# KiCad board Azimuth_PCB.kicad_pcb
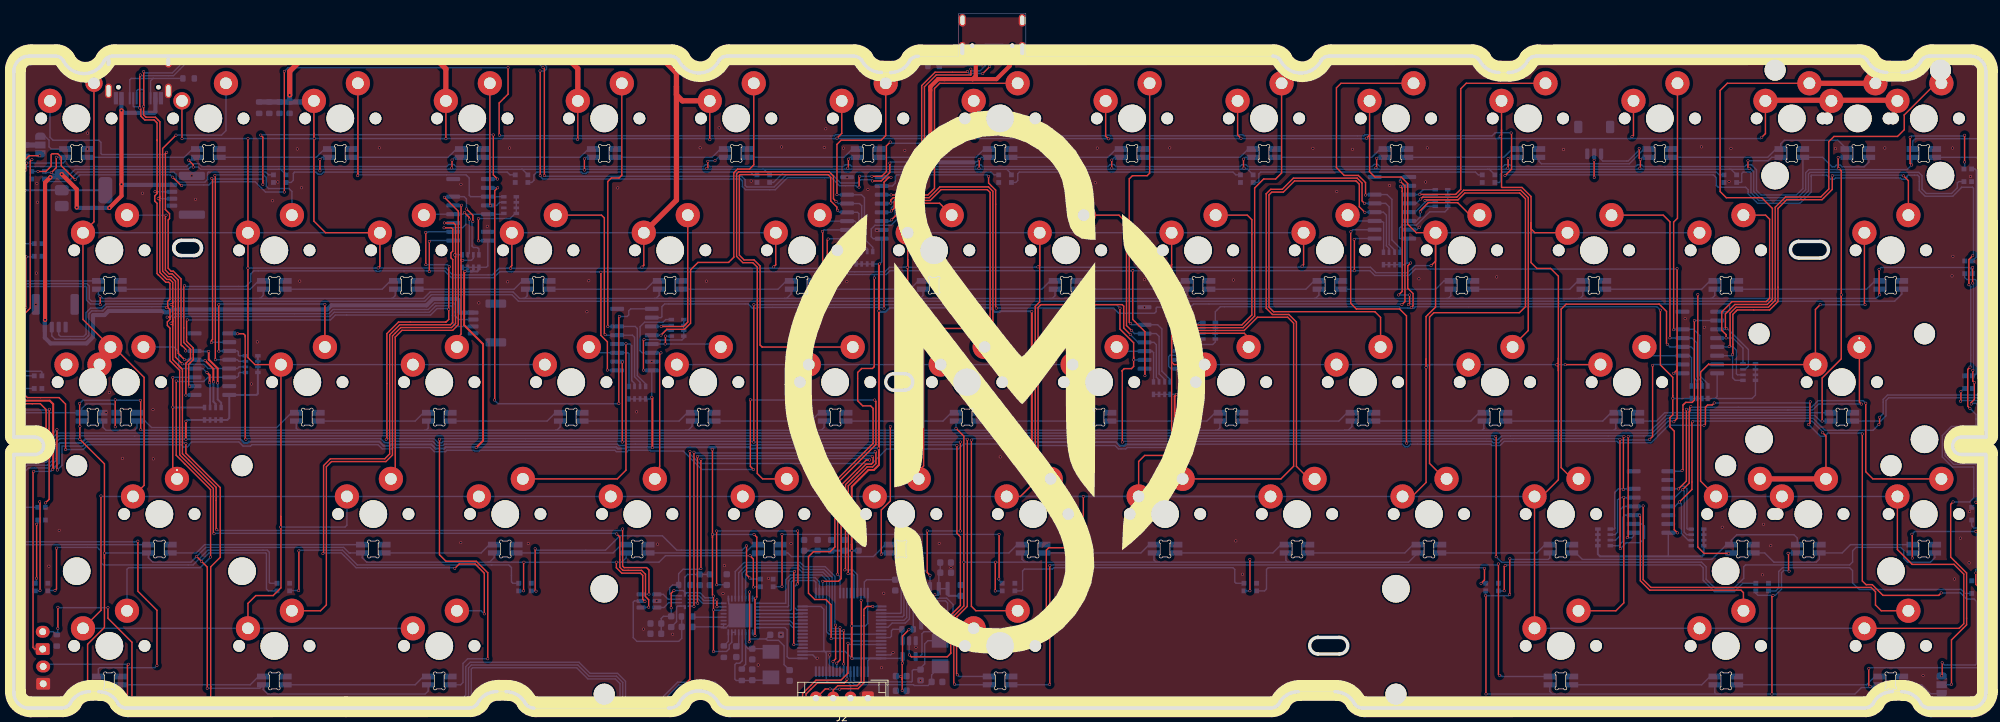
[diagram p0: board, top side]
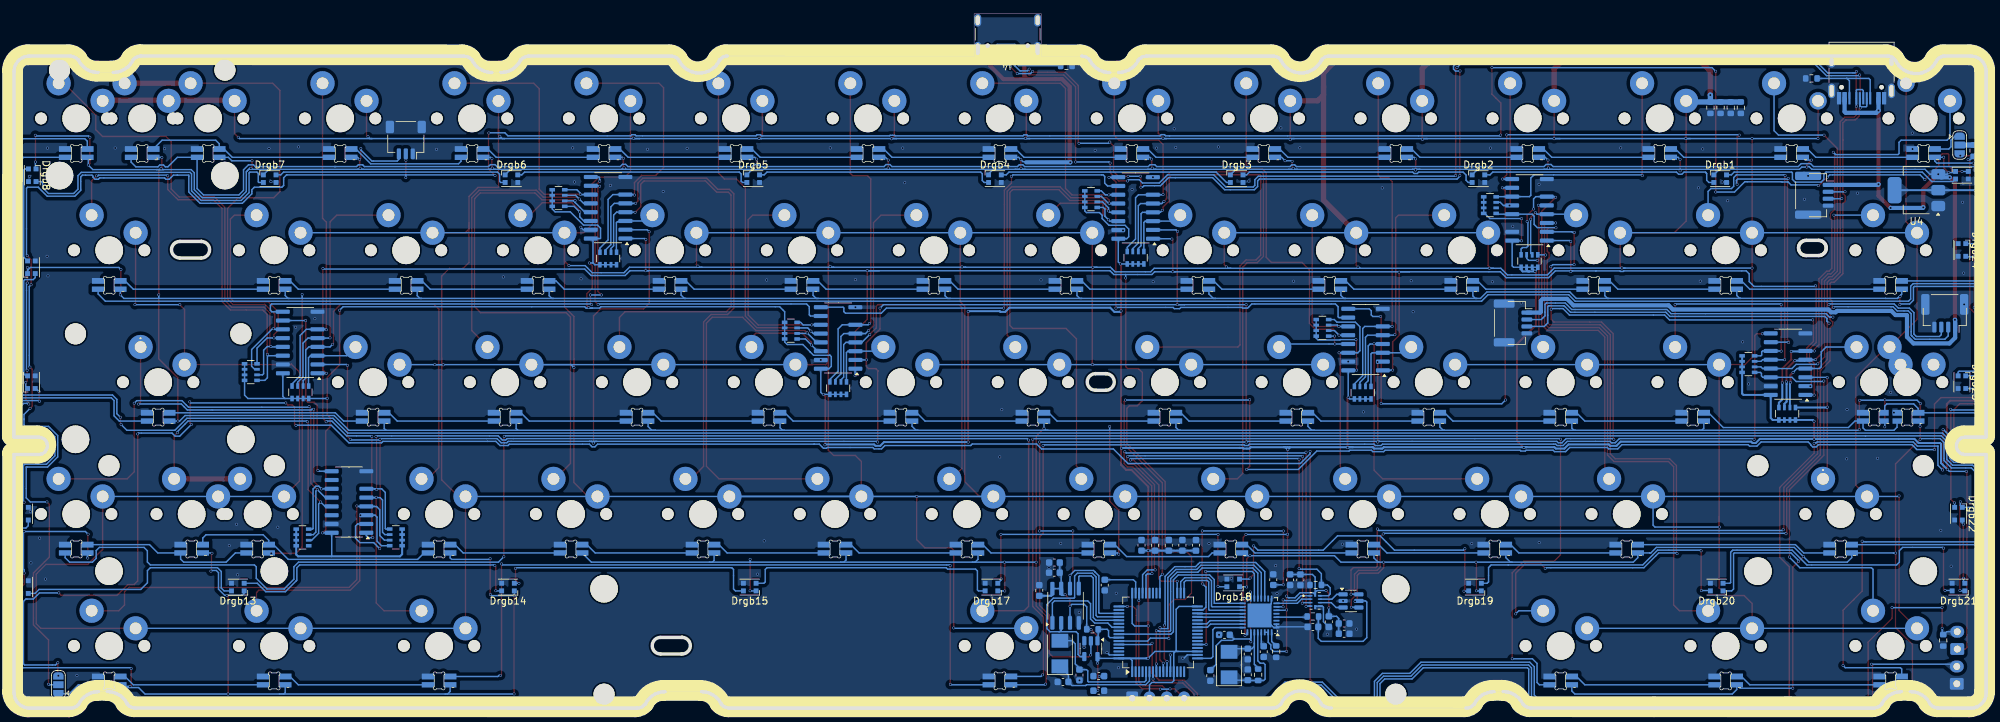
[diagram p1: board, bottom side, seen from below]

Outline 284.73 x 100.3 mm; copper layers: Top, Bottom. Coordinates in mm from the lower left corner of the outline.
Outline path: 0,92.01 arc(0.67,93.57) 2.25,94.2 5.98,94.21 arc(6.65,94.03) 7.15,93.55 7.15,93.55 arc(10.1,91.67) 13.06,93.54 arc(13.58,94.03) 14.27,94.21 94.87,94.2 arc(95.49,94.04) 95.96,93.62 arc(98.89,91.76) 101.82,93.61 arc(102.31,94.04) 102.93,94.19 121.22,94.2 arc(121.87,94.05) 122.39,93.63 arc(123.55,92.32) 125.23,91.83 126.55,91.82 arc(128.24,92.31) 129.4,93.62 arc(129.92,94.04) 130.57,94.19 136.4,94.19 136.4,100.3 146.11,100.3 146.11,94.19 181.74,94.2 arc(182.36,94.05) 182.83,93.63 182.83,93.63 arc(185.78,91.75) 188.74,93.62 arc(189.22,94.04) 189.84,94.19 210.4,94.2 arc(211.05,94.05) 211.57,93.63 arc(212.74,92.32) 214.42,91.83 215.74,91.82 arc(217.42,92.31) 218.58,93.62 arc(219.1,94.04) 219.76,94.19 266.36,94.22 arc(267.01,94.06) 267.53,93.64 arc(268.69,92.33) 270.37,91.85 272.57,91.84 arc(274.26,92.32) 275.42,93.63 arc(275.94,94.05) 276.59,94.21 282.51,94.2 arc(284.07,93.53) 284.7,91.95 284.73,39.16 281.11,39.15 arc(279.89,37.88) 281.14,36.65 284.7,36.65 284.7,2.19 arc(284.03,0.63) 282.45,0 276.54,0.01 arc(275.89,0.16) 275.37,0.58 arc(274.21,1.89) 272.52,2.38 271.2,2.39 arc(269.52,1.9) 268.36,0.59 arc(267.84,0.17) 267.19,0.02 194.75,0.01 194.75,0.01 arc(194.09,0.16) 193.57,0.58 arc(192.41,1.89) 190.73,2.38 185.44,2.38 arc(183.76,1.89) 182.6,0.58 arc(182.08,0.16) 181.42,0.01 103.06,0.01 arc(102.38,0.18) 101.81,0.6 arc(98.91,2.5) 95.99,0.62 arc(95.32,0.15) 94.51,0.02 75.07,0.01 arc(74.41,0.16) 73.89,0.59 arc(72.73,1.9) 71.05,2.38 69.73,2.39 arc(68.05,1.91) 66.88,0.6 arc(66.36,0.17) 65.71,0.02 47.73,0.01 16.26,0.01 arc(15.61,0.16) 15.09,0.58 arc(13.93,1.89) 12.24,2.38 10.92,2.39 arc(9.24,1.9) 8.08,0.59 arc(7.56,0.17) 6.91,0.02 2.2,0 arc(0.63,0.67) 0,2.25 0,36.65 3.05,36.65 arc(4.29,37.91) 3.04,39.15 0,39.15 0,92.01 ; 23.09,66.48 23.11,66.27 23.17,66.06 23.27,65.87 23.41,65.7 23.58,65.57 23.77,65.47 23.97,65.4 24.19,65.38 25.99,65.38 26.2,65.4 26.41,65.47 26.6,65.57 26.76,65.7 26.9,65.87 27,66.06 27.07,66.27 27.09,66.48 27.07,66.7 27,66.9 26.9,67.09 26.76,67.26 26.6,67.4 26.41,67.5 26.2,67.56 25.99,67.58 24.19,67.58 23.97,67.56 23.77,67.5 23.58,67.4 23.41,67.26 23.27,67.09 23.17,66.9 23.11,66.7 23.09,66.48 ; 127.08,48.33 128.58,48.33 arc(129.78,47.12) 128.56,45.93 127.08,45.93 arc(125.88,47.13) 127.08,48.33 127.08,48.33 ; 188.28,10.23 191.38,10.23 arc(192.58,9.02) 191.36,7.83 188.28,7.83 arc(187.08,9.03) 188.28,10.23 188.28,10.23 ; 257.68,67.43 260.78,67.43 arc(261.98,66.22) 260.76,65.03 257.68,65.03 arc(256.48,66.23) 257.68,67.43 257.68,67.43
Stack: Top 0.035mm / dielectric 1.51mm FR4 er 4.5 / Bottom 0.035mm

## Placement (name value [footprint] x y rotation side)
C1  2.2uF  [C_0603_1608Metric]  127.25 17.78 270 bottom
C2  2.2uF  [C_0603_1608Metric]  102.92 18.57 90 bottom
C3  9pf  [C_0603_1608Metric]  130.9 4.79 90 bottom
C4  9pf  [C_0603_1608Metric]  133.27 3.79 180 bottom
C5  0.1uF  [C_0603_1608Metric]  128.1 4.63 0 bottom
C6  0.1uF  [C_0603_1608Metric]  128.11 2.52 180 bottom
C7  0.1uF  [C_0603_1608Metric]  99 18.54 270 bottom
C8  0.1uF  [C_0603_1608Metric]  100.49 18.55 270 bottom
C9  0.1uF  [C_0603_1608Metric]  121.94 23.53 90 bottom
C10  0.1uF  [C_0603_1608Metric]  119.97 23.53 90 bottom
C11  1uF  [C_0603_1608Metric]  92.68 10.75 180 bottom
C12  0.1uF  [C_0603_1608Metric]  92.69 12.23 180 bottom
C13  1uF  [C_0603_1608Metric]  114.08 23.52 90 bottom
C14  0.1uF  [C_0603_1608Metric]  118 23.53 90 bottom
C15  1uF  [C_0603_1608Metric]  134.52 19.57 0 bottom
C16  0.1uF  [C_0603_1608Metric]  136.7 17.01 90 bottom
C17  1uF  [C_0603_1608Metric]  116.04 23.53 90 bottom
C18  1uF  [C_0603_1608Metric]  94.9 12.49 90 bottom
C19  1uF  [C_0603_1608Metric]  97.2 11.74 180 bottom
C20  9pf  [C_0603_1608Metric]  106.6 7.82 90 bottom
C21  9pf  [C_0603_1608Metric]  106.6 4.82 270 bottom
C22  4.7UF  [C_0603_1608Metric]  109.97 10.59 0 bottom
C23  1uF  [C_0603_1608Metric]  112 4.72 270 bottom
C24  4.7UF  [C_0603_1608Metric]  104.3 8.17 270 bottom
C25  1uF  [C_0603_1608Metric]  134.51 21.03 180 bottom
Drgb1  WS2812B  [LED_WS2812B-2020_PLCC4_2.0x2.0mm]  38.4 76.49 180 bottom
Drgb2  WS2812B  [LED_WS2812B-2020_PLCC4_2.0x2.0mm]  73.3 76.49 180 bottom
Drgb3  WS2812B  [LED_WS2812B-2020_PLCC4_2.0x2.0mm]  108.2 76.49 180 bottom
Drgb4  WS2812B  [LED_WS2812B-2020_PLCC4_2.0x2.0mm]  143.1 76.49 180 bottom
Drgb5  WS2812B  [LED_WS2812B-2020_PLCC4_2.0x2.0mm]  178 76.49 180 bottom
Drgb6  WS2812B  [LED_WS2812B-2020_PLCC4_2.0x2.0mm]  212.9 76.49 180 bottom
Drgb7  WS2812B  [LED_WS2812B-2020_PLCC4_2.0x2.0mm]  247.8 76.49 180 bottom
Drgb8  WS2812B  [LED_WS2812B-2020_PLCC4_2.0x2.0mm]  282.08 76.98 270 bottom
Drgb9  WS2812B  [LED_WS2812B-2020_PLCC4_2.0x2.0mm]  282.2 63.69 90 bottom
Drgb10  WS2812B  [LED_WS2812B-2020_PLCC4_2.0x2.0mm]  282.2 47.09 90 bottom
Drgb11  WS2812B  [LED_WS2812B-2020_PLCC4_2.0x2.0mm]  283.2 28.09 90 bottom
Drgb12  WS2812B  [LED_WS2812B-2020_PLCC4_2.0x2.0mm]  283.2 17.49 90 bottom
Drgb13  WS2812B  [LED_WS2812B-2020_PLCC4_2.0x2.0mm]  252.4 17.49 0 bottom
Drgb14  WS2812B  [LED_WS2812B-2020_PLCC4_2.0x2.0mm]  213.4 17.49 0 bottom
Drgb15  WS2812B  [LED_WS2812B-2020_PLCC4_2.0x2.0mm]  178.5 17.49 0 bottom
Drgb16  WS2812B  [LED_WS2812B-2020_PLCC4_2.0x2.0mm]  3.5 76.99 180 bottom
Drgb17  WS2812B  [LED_WS2812B-2020_PLCC4_2.0x2.0mm]  143.6 17.49 0 bottom
Drgb18  WS2812B  [LED_WS2812B-2020_PLCC4_2.0x2.0mm]  108.7 18.09 0 bottom
Drgb19  WS2812B  [LED_WS2812B-2020_PLCC4_2.0x2.0mm]  73.8 17.49 0 bottom
Drgb20  WS2812B  [LED_WS2812B-2020_PLCC4_2.0x2.0mm]  38.9 17.49 0 bottom
Drgb21  WS2812B  [LED_WS2812B-2020_PLCC4_2.0x2.0mm]  4 17.49 0 bottom
Drgb22  WS2812B  [LED_WS2812B-2020_PLCC4_2.0x2.0mm]  4 28.09 270 bottom
Drgb23  WS2812B  [LED_WS2812B-2020_PLCC4_2.0x2.0mm]  3.5 47.09 270 bottom
Drgb24  WS2812B  [LED_WS2812B-2020_PLCC4_2.0x2.0mm]  3.5 66.19 270 bottom
G***  LOGO  [MS]  141.6 47.09 0 top
J1  Conn_01x04_Pin  [JST_SH_SM04B-SRSS-TB_1x04-1MP_P1.00mm_Horizontal#2]  24.82 74.09 270 bottom
J2  Conn_01x04_Pin  [JST_EH_B4B-EH-A_1x04_P2.50mm_Vertical]  123.29 1.43 180 top
J3  Conn_01x03_Socket  [JST_SH_SM03B-SRSS-TB_1x03-1MP_P1.00mm_Horizontal]  228.15 82.08 0 bottom
J4  USB_C_Receptacle_USB2.0_14P  [USB_C_Receptacle_GCT_USB4105-xx-A_16P_TopMnt_Horizontal]  141.26 98.3 0 bottom
J4#2  USB_C_Receptacle_USB2.0_14P  [USB_C_Receptacle_HRO_TYPE-C-31-M-12]  17.99 92.3 0 bottom
J5  Conn_01x04_Pin  [JST_SH_SM04B-SRSS-TB_1x04-1MP_P1.00mm_Horizontal]  5.98 57.05 0 bottom
J6  Conn_01x04_Pin  [JST_SH_SM04B-SRSS-TB_1x04-1MP_P1.00mm_Horizontal]  68.31 55.64 270 bottom
JP1  Jumper_3_Open  [SolderJumper-3_P1.3mm_Open_RoundedPad1.0x1.5mm]  3.82 81.35 270 bottom
JP2  Jumper_3_Open  [SolderJumper-3_P1.3mm_Open_RoundedPad1.0x1.5mm]  278.31 3.38 90 bottom
R1  10k  [R_0603_1608Metric]  6.2 9.79 90 bottom
R2  10k  [R_0603_1608Metric]  129.02 11.39 180 bottom
R3  5.6k  [R_0603_1608Metric]  132.78 92.77 180 bottom
R4  10k  [R_0603_1608Metric]  96.8 17.79 0 bottom
R5  1k  [R_0603_1608Metric]  97.2 13.24 0 bottom
R6  1m  [R_0603_1608Metric]  105.1 4.82 270 bottom
R7  12K  [R_0603_1608Metric]  102.5 8.17 270 bottom
R15  10k  [R_0603_1608Metric]  1.82 80.54 270 bottom
R16  0  [R_0603_1608Metric]  39.81 86.75 90 bottom
R17  0  [R_0603_1608Metric]  38.35 86.75 90 bottom
R18  0  [R_0603_1608Metric]  36.88 86.75 90 bottom
R19  0  [R_0603_1608Metric]  35.42 86.75 90 bottom
R20  10k  [R_0603_1608Metric]  25.23 90.97 0 bottom
RN1  R_Pack04  [R_Array_Convex_4x0603]  34.33 49.7 180 bottom
RN2  R_Pack04  [R_Array_Convex_4x0603]  28.73 42.53 90 bottom
RN3  R_Pack04  [R_Array_Convex_4x0603]  65.94 64.59 90 bottom
RN4  R_Pack04  [R_Array_Convex_4x0603]  71.64 72.67 180 bottom
RN5  R_Pack04  [R_Array_Convex_4x0603]  95.82 54.94 180 bottom
RN6  R_Pack04  [R_Array_Convex_4x0603]  90.01 45.57 90 bottom
RN7  R_Pack04  [R_Array_Convex_4x0603]  129.23 73.53 180 bottom
RN8  R_Pack04  [R_Array_Convex_4x0603]  122.8 65.07 90 bottom
RN9  R_Pack04  [R_Array_Convex_4x0603]  165.73 46.23 90 bottom
RN10  R_Pack04  [R_Array_Convex_4x0603]  172.56 54.53 180 bottom
RN11  R_Pack04  [R_Array_Convex_4x0603]  198.93 64.96 90 bottom
RN12  R_Pack04  [R_Array_Convex_4x0603]  206.11 73.69 180 bottom
RN13  R_Pack04  [R_Array_Convex_4x0603]  250.53 48.55 180 bottom
RN14  R_Pack04  [R_Array_Convex_4x0603]  243.37 45.63 90 bottom
RN15  R_Pack04  [R_Array_Convex_4x0603]  229.58 24.67 0 bottom
RN16  R_Pack04  [R_Array_Convex_4x0603]  243.07 24.66 180 bottom
SW1  CherryMX_LTST-A683CEGBW  [MXOnly-1U_RGBs#2]  9.03 85.19 0 top
SW2  CherryMX_LTST-A683CEGBW  [MXOnly-1U_RGBs#3]  28.08 85.19 0 top
SW3  CherryMX_LTST-A683CEGBW  [MXOnly-1U_RGBs]  47.13 85.19 0 top
SW4  CherryMX_LTST-A683CEGBW  [MXOnly-1U_RGBs]  66.18 85.19 0 top
SW5  CherryMX_LTST-A683CEGBW  [MXOnly-1U_RGBs]  85.23 85.19 0 top
SW6  CherryMX_LTST-A683CEGBW  [MXOnly-1U_RGBs]  104.28 85.19 0 top
SW7  CherryMX_LTST-A683CEGBW  [MXOnly-1U_RGBs]  123.33 85.19 0 top
SW8  CherryMX_LTST-A683CEGBW  [MXOnly-1U_RGBs]  142.38 85.19 0 top
SW9  CherryMX_LTST-A683CEGBW  [MXOnly-1U_RGBs]  161.43 85.19 0 top
SW10  CherryMX_LTST-A683CEGBW  [MXOnly-1U_RGBs]  180.48 85.19 0 top
SW11  CherryMX_LTST-A683CEGBW  [MXOnly-1U_RGBs]  199.53 85.19 0 top
SW12  CherryMX_LTST-A683CEGBW  [MXOnly-1U_RGBs]  218.58 85.19 0 top
SW13  CherryMX_LTST-A683CEGBW  [MXOnly-1U_RGBs]  237.63 85.19 0 top
SW14  CherryMX_LTST-A683CEGBW  [MXOnly-1U_RGBs]  256.68 85.19 0 top
SW15  CherryMX_LTST-A683CEGBW  [MXOnly-1.5U_RGBs]  13.79 66.14 0 top
SW16  CherryMX_LTST-A683CEGBW  [MXOnly-1U_RGBs]  37.6 66.14 0 top
SW17  CherryMX_LTST-A683CEGBW  [MXOnly-1U_RGBs]  56.65 66.14 0 top
SW18  CherryMX_LTST-A683CEGBW  [MXOnly-1U_RGBs]  75.7 66.14 0 top
SW19  CherryMX_LTST-A683CEGBW  [MXOnly-1U_RGBs]  94.75 66.14 0 top
SW20  CherryMX_LTST-A683CEGBW  [MXOnly-1U_RGBs]  113.8 66.14 0 top
SW21  CherryMX_LTST-A683CEGBW  [MXOnly-1U_RGBs]  132.85 66.14 0 top
SW22  CherryMX_LTST-A683CEGBW  [MXOnly-1U_RGBs]  151.9 66.14 0 top
SW23  CherryMX_LTST-A683CEGBW  [MXOnly-1U_RGBs]  170.95 66.14 0 top
SW24  CherryMX_LTST-A683CEGBW  [MXOnly-1U_RGBs]  190 66.14 0 top
SW25  CherryMX_LTST-A683CEGBW  [MXOnly-1U_RGBs]  209.05 66.14 0 top
SW26  CherryMX_LTST-A683CEGBW  [MXOnly-1U_RGBs]  228.1 66.14 0 top
SW27  CherryMX_LTST-A683CEGBW  [MXOnly-1U_RGBs]  247.15 66.14 0 top
SW28  CherryMX_LTST-A683CEGBW  [MXOnly-1.5U_RGBs]  270.97 66.14 0 top
SW29  CherryMX_LTST-A683CEGBW  [MXOnly-1.75U_RGBs#2]  16.17 47.09 0 top
SW30  CherryMX_LTST-A683CEGBW  [MXOnly-1U_RGBs]  42.37 47.09 0 top
SW31  CherryMX_LTST-A683CEGBW  [MXOnly-1U_RGBs]  61.42 47.09 0 top
SW32  CherryMX_LTST-A683CEGBW  [MXOnly-1U_RGBs]  80.47 47.09 0 top
SW33  CherryMX_LTST-A683CEGBW  [MXOnly-1U_RGBs]  99.52 47.09 0 top
SW34  CherryMX_LTST-A683CEGBW  [MXOnly-1U_RGBs]  118.57 47.09 0 top
SW35  CherryMX_LTST-A683CEGBW  [MXOnly-1U_RGBs]  137.62 47.09 0 top
SW36  CherryMX_LTST-A683CEGBW  [MXOnly-1U_RGBs]  156.67 47.09 0 top
SW37  CherryMX_LTST-A683CEGBW  [MXOnly-1U_RGBs]  175.72 47.09 0 top
SW38  CherryMX_LTST-A683CEGBW  [MXOnly-1U_RGBs]  194.77 47.09 0 top
SW39  CherryMX_LTST-A683CEGBW  [MXOnly-1U_RGBs]  213.82 47.09 0 top
SW40  CherryMX_LTST-A683CEGBW  [MXOnly-1U_RGBs]  232.87 47.09 0 top
SW41  CherryMX_LTST-A683CEGBW  [MXOnly-2.25U_RGBs]  263.9 47.09 0 top
SW42  CherryMX_LTST-A683CEGBW  [MXOnly-1U_RGBs]  275.73 85.19 0 top
SW43  CherryMX_LTST-A683CEGBW  [MXOnly-2.25U_RGBs]  21.01 28.04 0 top
SW44  CherryMX_LTST-A683CEGBW  [MXOnly-1U_RGBs]  51.89 28.04 0 top
SW45  CherryMX_LTST-A683CEGBW  [MXOnly-1U_RGBs]  70.94 28.04 0 top
SW46  CherryMX_LTST-A683CEGBW  [MXOnly-1U_RGBs]  89.99 28.04 0 top
SW47  CherryMX_LTST-A683CEGBW  [MXOnly-1U_RGBs]  109.04 28.04 0 top
SW48  CherryMX_LTST-A683CEGBW  [MXOnly-1U_RGBs]  128.09 28.04 0 top
SW49  CherryMX_LTST-A683CEGBW  [MXOnly-1U_RGBs]  147.14 28.04 0 top
SW50  CherryMX_LTST-A683CEGBW  [MXOnly-1U_RGBs]  166.19 28.04 0 top
SW51  CherryMX_LTST-A683CEGBW  [MXOnly-1U_RGBs]  185.24 28.04 0 top
SW52  CherryMX_LTST-A683CEGBW  [MXOnly-1U_RGBs]  204.29 28.04 0 top
SW53  CherryMX_LTST-A683CEGBW  [MXOnly-1U_RGBs]  223.34 28.04 0 top
SW54  CherryMX_LTST-A683CEGBW  [MXOnly-1.75U_RGBs]  249.54 28.04 0 top
SW55  CherryMX_LTST-A683CEGBW  [MXOnly-1U_RGBs]  275.73 28.04 0 top
SW56  CherryMX_LTST-A683CEGBW  [MXOnly-1.5U_RGBs]  13.79 8.99 0 top
SW57  CherryMX_LTST-A683CEGBW  [MXOnly-1U_RGBs]  37.6 8.99 0 top
SW58  CherryMX_LTST-A683CEGBW  [MXOnly-1.5U_RGBs]  61.42 8.99 0 top
SW59  CherryMX_LTST-A683CEGBW  [MXOnly-7URGBs-ReversedStabilizers_N]  142.38 9 0 top
SW60  CherryMX_LTST-A683CEGBW  [MXOnly-1.5U_RGBs]  223.34 8.99 0 top
SW61  CherryMX_LTST-A683CEGBW  [MXOnly-1U_RGBs]  247.15 8.99 0 top
SW62  CherryMX_LTST-A683CEGBW  [MXOnly-1.5U_RGBs]  270.97 8.99 0 top
SW2000  CherryMX_LTST-A683CEGBW  [MXOnly-2U_RGBs]  266.2 85.19 0 top
SW2001  CherryMX_LTST-A683CEGBW  [MXOnly-2.75U_RGBs]  259.06 28.04 0 top
SW2002  CherryMX_LTST-A683CEGBW  [MXOnly-1.25U_RGBs]  11.41 47.09 0 top
SWboot1  SW_Push  [JST_XH_B2B-XH-A_1x02_P2.50mm_Vertical]  4.24 3.52 90 top
SWboot2  SW_Push  [JST_XH_B2B-XH-A_1x02_P2.50mm_Vertical]  4.17 8.54 90 top
U1  STM32F405RGTx  [LQFP-64_10x10mm_P0.5mm]  119.53 10.94 90 bottom
U2  SN74LVC1G125DBV  [SOT-23-5]  129.25 8.59 270 bottom
U3  74HC165  [SOP-16_3.9x9.9mm_P1.27mm#2]  28.6 49.7 0 bottom
U4  AMS1117  [SOT-223-3_TabPin2]  10.07 74.83 0 bottom
U5  TS3USB221RSER  [UQFN-10]  96.87 15.49 180 bottom
U6  USBLC6-2SC6  [SOT-23-6]  91.7 15.49 180 bottom
U7  USB3300-EZK  [QFN-32-1EP_5x5mm_P0.5mm_EP3.45x3.45mm]  104.9 13.39 0 bottom
U8  MB85RS16  [SOIC-8_3.9x4.9mm_P1.27mm]  132.9 14.79 90 bottom
U9  74HC165  [SOP-16_3.9x9.9mm_P1.27mm]  65.93 71.99 0 bottom
U10  74HC165  [SOP-16_3.9x9.9mm_P1.27mm#2]  89.6 53.24 0 bottom
U11  74HC165  [SOP-16_3.9x9.9mm_P1.27mm#2]  122.79 72.26 0 bottom
U12  74HC165  [SOP-16_3.9x9.9mm_P1.27mm#2]  165.74 53.48 0 bottom
U13  74HC165  [SOP-16_3.9x9.9mm_P1.27mm#2]  236.35 29.78 0 bottom
U14  74HC165  [SOP-16_3.9x9.9mm_P1.27mm#2]  198.95 72.29 0 bottom
U15  74HC165  [SOP-16_3.9x9.9mm_P1.27mm#2]  243.4 52.82 0 bottom
Y1  12mhz  [Crystal_SMD_5032-2Pin_5.0x3.2mm]  133.72 7.89 90 bottom
Y3  24mhz  [Crystal_SMD_5032-2Pin_5.0x3.2mm]  109.3 6.29 90 bottom

## Library data of the parts
C1-C25 = -: Description: Unpolarized capacitor, small symbol; ki_fp_filters: C_*
Drgb1-Drgb24 = -: Datasheet: https://cdn-shop.adafruit.com/datasheets/WS2812B.pdf; Description: RGB LED with integrated controller; ki_fp_filters: LED*WS2812*PLCC*5.0x5.0mm*P3.2mm*
J1 J2 J5 J6 = -: Description: Generic connector, single row, 01x04, script generated; ki_fp_filters: Connector*:*_1x??_*
J3 = -: Description: Generic connector, single row, 01x03, script generated; ki_fp_filters: Connector*:*_1x??_*
J4 J4#2 = -: Datasheet: https://www.usb.org/sites/default/files/documents/usb_type-c.zip; Description: USB 2.0-only 14P Type-C Receptacle connector; ki_fp_filters: USB*C*Receptacle*
JP1 JP2 = -: Description: Jumper, 3-pole, both open; ki_fp_filters: Jumper* TestPoint*3Pads* TestPoint*Bridge*
R1-R7 R15-R20 = -: Description: Resistor, small symbol; ki_fp_filters: R_*
RN1-RN16 = -: ki_fp_filters: DIP* SOIC* R*Array*Concave* R*Array*Convex*
SWboot1 SWboot2 = -: Description: Push button switch, generic, two pins
U1 = -: Datasheet: https://www.st.com/resource/en/datasheet/stm32f405rg.pdf; Description: STMicroelectronics Arm Cortex-M4 MCU, 1024KB flash, 192KB RAM, 168 MHz, 1.8-3.6V, 51 GPIO, LQFP64; ki_fp_filters: LQFP*10x10mm*P0.5mm*
U2 = -: Datasheet: http://www.ti.com/lit/ds/symlink/sn74lvc1g125.pdf; Description: Single Buffer Gate Tri-State, Low-Voltage CMOS, SOT-23-5; ki_fp_filters: SOT?23*
U3 U9-U15 = -: Datasheet: https://assets.nexperia.com/documents/data-sheet/74HC_HCT165.pdf; Description: Shift Register, 8-bit, Parallel Load; ki_fp_filters: DIP?16* SO*16*3.9x9.9mm*P1.27mm* SSOP*16*5.3x6.2mm*P0.65mm* TSSOP*16*4.4x5mm*P0.65*
U4 = -: Datasheet: http://www.advanced-monolithic.com/pdf/ds1117.pdf; Description: 1A Low Dropout regulator, positive, adjustable output, SOT-223; ki_fp_filters: SOT?223*TabPin2*
U6 = -: Datasheet: https://www.st.com/resource/en/datasheet/usblc6-2.pdf; Description: Very low capacitance ESD protection diode, 2 data-line, SOT-23-6; ki_fp_filters: SOT?23*
U7 = -: Datasheet: http://ww1.microchip.com/downloads/en/DeviceDoc/00001783C.pdf; Description: Hi-Speed USB Host, Device or OTG PHY with ULPI Interface; ki_fp_filters: *QFN*32*1EP*5x5mm*P0.5mm*
U8 = -: Datasheet: http://www.fujitsu.com/downloads/MICRO/fsa/pdf/products/memory/fram/MB85RS16-DS501-00014-6v0-E.pdf; Description: FRAM memory with SPI interface, SOIC-8 SON-8; ki_fp_filters: SOIC*3.9x5.05mm*P1.27mm* *SON*2x3mm*P0.50mm*
Y1 Y3 = -: Description: Two pin crystal, small symbol; ki_fp_filters: Crystal*

## Footprints (pads in the part's own frame, mm; a bottom-side part is the same pattern mirrored in y, then rotated)
C_0603_1608Metric
  rrect 0.9x0.95 smd: 1(-0.775,0) 2(0.775,0)
Crystal_SMD_5032-2Pin_5.0x3.2mm
  rect 2x2.4 smd: 1(-1.85,0) 2(1.85,0)
JST_EH_B4B-EH-A_1x04_P2.50mm_Vertical
  rrect 1.7x1.95 hole 0.95: 1(0,0)
  oval 1.7x1.95 hole 0.95: 2(2.5,0) 3(5,0) 4(7.5,0)
JST_SH_SM03B-SRSS-TB_1x03-1MP_P1.00mm_Horizontal
  rrect 1.2x1.8 smd: 1(-2.3,-1.875) 1(2.3,-1.875)
  rrect 0.6x1.55 smd: 1(-1,2) 2(0,2) 3(1,2)
JST_SH_SM04B-SRSS-TB_1x04-1MP_P1.00mm_Horizontal
  rrect 0.6x1.55 smd: 1(-1.5,2) 2(-0.5,2) 3(0.5,2) 4(1.5,2)
  rrect 1.2x3 smd: 4(-2.8,-1.275) 4(2.8,-1.275)
JST_SH_SM04B-SRSS-TB_1x04-1MP_P1.00mm_Horizontal#2
  rrect 0.6x1.55 smd: 1(-1.5,2) 2(-0.5,2) 3(0.5,2) 4(1.5,2)
  rrect 1.2x3.775 smd: 4(-2.8,-0.887) 4(2.8,-0.887)
JST_XH_B2B-XH-A_1x02_P2.50mm_Vertical
  rrect 1.7x2 hole 1: 1(0,0)
  oval 1.7x2 hole 1: 2(2.5,0)
LED_WS2812B-2020_PLCC4_2.0x2.0mm
  rect 0.7x0.7 smd: 1(-0.915,0.55) 2(-0.915,-0.55) 3(0.915,-0.55) 4(0.915,0.55)
LQFP-64_10x10mm_P0.5mm
  rrect 1.55x0.3 smd: (5.675,-2.25) (5.675,-1.75) (5.675,-1.25) (5.675,-0.75) 1(-5.675,3.75) 2(-5.675,3.25) 3(-5.675,2.75) 4(-5.675,2.25) 5(-5.675,1.75) 6(-5.675,1.25) 7(-5.675,0.75) 8(-5.675,0.25) 9(-5.675,-0.25) 10(-5.675,-0.75) 11(-5.675,-1.25) 12(-5.675,-1.75) 13(-5.675,-2.25) 14(-5.675,-2.75) 15(-5.675,-3.25) 16(-5.675,-3.75) 33(5.675,-3.75) 34(5.675,-3.25) 35(5.675,-2.75) 40(5.675,-0.25) 41(5.675,0.25) 42(5.675,0.75) 43(5.675,1.25) 44(5.675,1.75) 45(5.675,2.25) 46(5.675,2.75) 47(5.675,3.25) 48(5.675,3.75)
  rrect 0.3x1.55 smd: 17(-3.75,-5.675) 18(-3.25,-5.675) 19(-2.75,-5.675) 20(-2.25,-5.675) 21(-1.75,-5.675) 22(-1.25,-5.675) 23(-0.75,-5.675) 24(-0.25,-5.675) 25(0.25,-5.675) 26(0.75,-5.675) 27(1.25,-5.675) 28(1.75,-5.675) 29(2.25,-5.675) 30(2.75,-5.675) 31(3.25,-5.675) 32(3.75,-5.675) 49(3.75,5.675) 50(3.25,5.675) 51(2.75,5.675) 52(2.25,5.675) 53(1.75,5.675) 54(1.25,5.675) 55(0.75,5.675) 56(0.25,5.675) 57(-0.25,5.675) 58(-0.75,5.675) 59(-1.25,5.675) 60(-1.75,5.675) 61(-2.25,5.675) 62(-2.75,5.675) 63(-3.25,5.675) 64(-3.75,5.675)
MXOnly-1.5U_RGBs
  round 1.7 hole 1.7 unplated: (-5.08,0) (5.08,0)
  round 2.5 smd: (-3.81,2.55) (2.54,5.08)
  round 4 hole 4 unplated: (0,0)
  round 3.5 hole 1.7: 1(-3.81,2.54) 2(2.54,5.08)
  rect 1.8x0.836 smd far side: 3(1.6,-4.418) 4(-1.6,-4.418)
  rect 1.8x0.764 smd far side: 5(1.6,-5.618) 6(-1.6,-5.618)
MXOnly-1.25U_RGBs
  round 1.7 hole 1.7 unplated: (-5.08,0) (5.08,0)
  round 2.5 smd: (-3.81,2.55) (2.54,5.08)
  round 4 hole 4 unplated: (0,0)
  round 3.5 hole 1.7: 1(-3.81,2.54) 2(2.54,5.08)
  rect 1.4x0.836 smd far side: 3(1.4,-4.418)
  rect 1.8x0.836 smd far side: 4(-1.6,-4.418)
  rect 1.4x0.764 smd far side: 5(1.4,-5.618)
  rect 1.8x0.764 smd far side: 6(-1.6,-5.618)
MXOnly-1.75U_RGBs
  round 1.7 hole 1.7 unplated: (-5.08,0) (5.08,0)
  round 2.5 smd: (-3.81,2.55) (2.54,5.08)
  round 4 hole 4 unplated: (0,0)
  round 3.5 hole 1.7: 1(-3.81,2.54) 2(2.54,5.08)
  rect 1.8x0.836 smd far side: 3(1.6,-4.418) 4(-1.6,-4.418)
  rect 1.8x0.764 smd far side: 5(1.6,-5.618) 6(-1.6,-5.618)
MXOnly-1.75U_RGBs#2
  round 1.7 hole 1.7 unplated: (-5.08,0) (5.08,0)
  round 2.5 smd: (-3.81,2.55) (2.54,5.08)
  round 4 hole 4 unplated: (0,0)
  round 3.5 hole 1.7: 1(-3.81,2.54) 2(2.54,5.08)
  rect 1.8x0.836 smd far side: 3(1.6,-4.418)
  rect 1.4x0.836 smd far side: 4(-1.4,-4.418)
  rect 1.8x0.764 smd far side: 5(1.6,-5.618)
  rect 1.4x0.764 smd far side: 6(-1.4,-5.618)
MXOnly-1U_RGBs
  round 1.7 hole 1.7 unplated: (-5.08,0) (5.08,0)
  round 2.5 smd: (-3.81,2.55) (2.54,5.08)
  round 4 hole 4 unplated: (0,0)
  round 3.5 hole 1.7: 1(-3.81,2.54) 2(2.54,5.08)
  rect 1.8x0.836 smd far side: 3(1.6,-4.418) 4(-1.6,-4.418)
  rect 1.8x0.764 smd far side: 5(1.6,-5.618) 6(-1.6,-5.618)
MXOnly-1U_RGBs#2
  round 1.7 hole 1.7 unplated: (-5.08,0) (5.08,0)
  round 2.5 smd: (-3.81,2.55) (2.54,5.08)
  round 4 hole 4 unplated: (0,0)
  round 3.5 hole 1.7: 1(-3.81,2.54)
  round 2.5 hole 1.7: 2(2.54,5.08)
  rect 1.8x0.836 smd far side: 3(1.6,-4.418) 4(-1.6,-4.418)
  rect 1.8x0.764 smd far side: 5(1.6,-5.618) 6(-1.6,-5.618)
MXOnly-1U_RGBs#3
  round 1.7 hole 1.7 unplated: (-5.08,0) (5.08,0)
  round 2.5 smd: (-3.81,2.55) (2.54,5.08)
  round 4 hole 4 unplated: (0,0)
  round 2.5 hole 1.7: 1(-3.81,2.54)
  round 3.5 hole 1.7: 2(2.54,5.08)
  rect 1.8x0.836 smd far side: 3(1.6,-4.418) 4(-1.6,-4.418)
  rect 1.8x0.764 smd far side: 5(1.6,-5.618) 6(-1.6,-5.618)
MXOnly-2.25U_RGBs
  round 3.048 hole 3.048 unplated: (-11.938,6.985) (11.938,6.985)
  round 3.988 hole 3.988 unplated: (-11.938,-8.255) (11.938,-8.255)
  round 1.7 hole 1.7 unplated: (-5.08,0) (5.08,0)
  round 2.5 smd: (-3.81,2.55) (2.54,5.08)
  round 4 hole 4 unplated: (0,0)
  round 3.5 hole 1.7: 1(-3.81,2.54) 2(2.54,5.08)
  round 0.4 hole 0.3: 2(2.54,6.34)
  rect 1.8x0.836 smd far side: 3(1.6,-4.418) 4(-1.6,-4.418)
  rect 1.8x0.764 smd far side: 5(1.6,-5.618) 6(-1.6,-5.618)
MXOnly-2.75U_RGBs
  round 3.048 hole 3.048 unplated: (-11.938,6.985) (11.938,6.985)
  round 3.988 hole 3.988 unplated: (-11.938,-8.255) (11.938,-8.255)
  round 1.7 hole 1.7 unplated: (-5.08,0) (5.08,0)
  round 2.5 smd: (-3.81,2.55) (2.54,5.08)
  round 4 hole 4 unplated: (0,0)
  round 3.5 hole 1.7: 1(-3.81,2.54) 2(2.54,5.08)
  rect 1.8x0.836 smd far side: 3(1.6,-4.418) 4(-1.6,-4.418)
  rect 1.8x0.764 smd far side: 5(1.6,-5.618) 6(-1.6,-5.618)
MXOnly-2U_RGBs
  round 3.048 hole 3.048 unplated: (-11.938,6.985) (11.938,6.985)
  round 3.988 hole 3.988 unplated: (-11.938,-8.255) (11.938,-8.255)
  round 1.7 hole 1.7 unplated: (-5.08,0) (5.08,0)
  round 2.5 smd: (-3.81,2.55) (2.54,5.08)
  round 4 hole 4 unplated: (0,0)
  round 3.5 hole 1.7: 1(-3.81,2.54) 2(2.54,5.08)
  rect 1.8x0.836 smd far side: 3(1.6,-4.418) 4(-1.6,-4.418)
  rect 1.8x0.764 smd far side: 5(1.6,-5.618) 6(-1.6,-5.618)
MXOnly-7URGBs-ReversedStabilizers_N
  round 3.988 hole 3.988 unplated: (-57.15,8.255) (57.15,8.255)
  round 3.048 hole 3.048 unplated: (-57.15,-6.985) (57.15,-6.985)
  round 1.7 hole 1.7 unplated: (-5.08,0) (5.08,0)
  round 2.5 smd: (-3.81,2.55) (2.54,5.08)
  round 4 hole 4 unplated: (0,0)
  round 3.5 hole 1.7: 1(-3.81,2.54) 2(2.54,5.08)
  rect 1.8x0.836 smd far side: 3(1.6,-4.418) 4(-1.6,-4.418)
  rect 1.8x0.764 smd far side: 5(1.6,-5.618) 6(-1.6,-5.618)
QFN-32-1EP_5x5mm_P0.5mm_EP3.45x3.45mm
  rrect 0.93x0.93 smd: (-1.15,-1.15) (-1.15,0) (-1.15,1.15) (0,-1.15) (0,0) (0,1.15) (1.15,-1.15) (1.15,0) (1.15,1.15)
  rrect 0.875x0.25 smd: 1(-2.438,1.75) 2(-2.438,1.25) 3(-2.438,0.75) 4(-2.438,0.25) 5(-2.438,-0.25) 6(-2.438,-0.75) 7(-2.438,-1.25) 8(-2.438,-1.75) 17(2.438,-1.75) 18(2.438,-1.25) 19(2.438,-0.75) 20(2.438,-0.25) 21(2.438,0.25) 22(2.438,0.75) 23(2.438,1.25) 24(2.438,1.75)
  rrect 0.25x0.875 smd: 9(-1.75,-2.438) 10(-1.25,-2.438) 11(-0.75,-2.438) 12(-0.25,-2.438) 13(0.25,-2.438) 14(0.75,-2.438) 15(1.25,-2.438) 16(1.75,-2.438) 25(1.75,2.438) 26(1.25,2.438) 27(0.75,2.438) 28(0.25,2.438) 29(-0.25,2.438) 30(-0.75,2.438) 31(-1.25,2.438) 32(-1.75,2.438)
  rect 3.45x3.45 smd: 33(0,0)
R_0603_1608Metric
  rrect 0.8x0.95 smd: 1(-0.825,0) 2(0.825,0)
R_Array_Convex_4x0603
  rect 0.8x0.5 smd: 1(-0.9,1.2) 4(-0.9,-1.2) 5(0.9,-1.2) 8(0.9,1.2)
  rect 0.8x0.4 smd: 2(-0.9,0.4) 3(-0.9,-0.4) 6(0.9,-0.4) 7(0.9,0.4)
SOIC-8_3.9x4.9mm_P1.27mm
  rrect 1.95x0.6 smd: 1(-2.475,1.905) 2(-2.475,0.635) 3(-2.475,-0.635) 4(-2.475,-1.905) 5(2.475,-1.905) 6(2.475,-0.635) 7(2.475,0.635) 8(2.475,1.905)
SolderJumper-3_P1.3mm_Open_RoundedPad1.0x1.5mm
  custom 1.05x1.5 smd: 1(-1.3,0) 3(1.3,0)
  rect 1x1.5 smd: 2(0,0)
SOP-16_3.9x9.9mm_P1.27mm
  rrect 2x0.6 smd: (-2.5,-3.175) (2.5,1.905) 1(-2.5,4.445) 2(-2.5,3.175) 3(-2.5,1.905) 4(-2.5,0.635) 5(-2.5,-0.635) 6(-2.5,-1.905) 8(-2.5,-4.445) 9(2.5,-4.445) 10(2.5,-3.175) 11(2.5,-1.905) 12(2.5,-0.635) 13(2.5,0.635) 15(2.5,3.175) 16(2.5,4.445)
SOP-16_3.9x9.9mm_P1.27mm#2
  rrect 2x0.6 smd: (-2.5,-3.175) 1(-2.5,4.445) 2(-2.5,3.175) 3(-2.5,1.905) 4(-2.5,0.635) 5(-2.5,-0.635) 6(-2.5,-1.905) 8(-2.5,-4.445) 9(2.5,-4.445) 10(2.5,-3.175) 11(2.5,-1.905) 12(2.5,-0.635) 13(2.5,0.635) 14(2.5,1.905) 15(2.5,3.175) 16(2.5,4.445)
SOT-23-5